# Allegro board Learn.brd (continued)
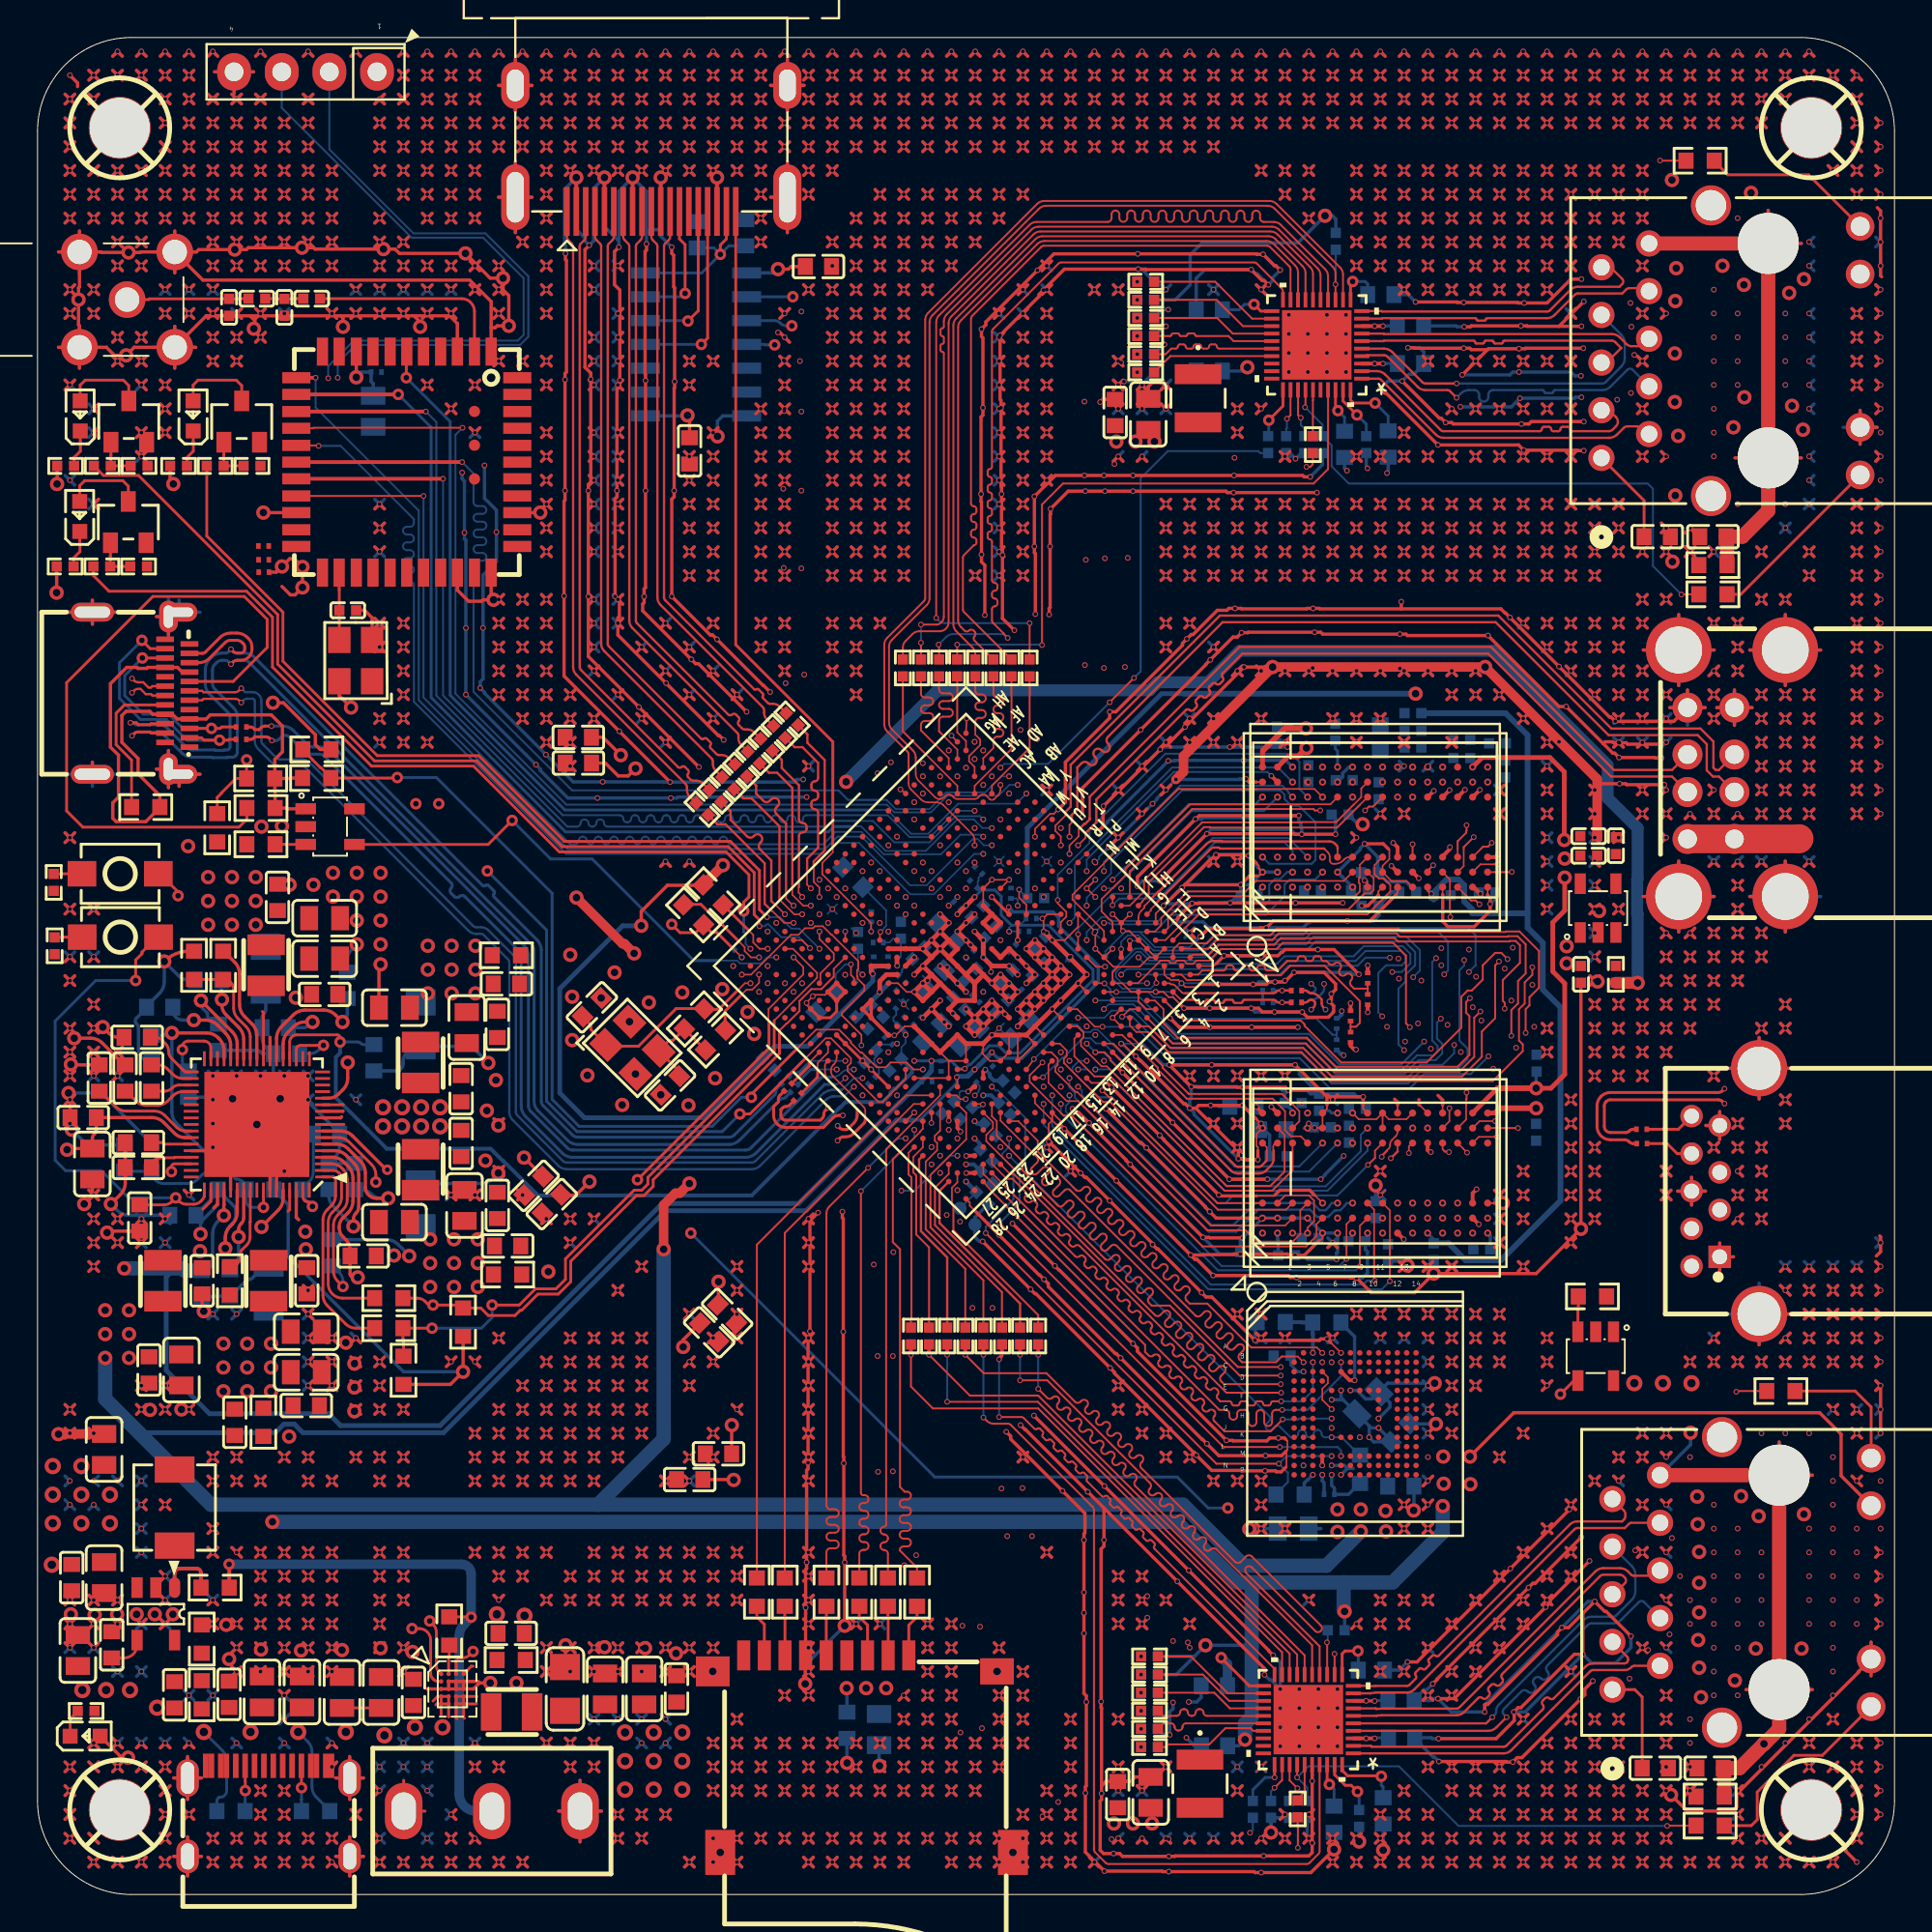
[diagram p0: board, top side]
## Routing (per net, layer and track width the routed paths; a pad name or vN(x,y) marks a point on that pad's centre or on a via; arc(x,y) is an arc through that point) (continued)
  TOP w0.203: J1.11 v3(33.22,91.52) ; v1(49.5,39.37) 49.58,39.37 49.59,39.38 U5.C25 ; U7.K1 v1(72.83,34.92) ; U5.V22 U5.V23 ; J1.17 v3(36.22,91.52) ; v1(49.5,38.46) 49.53,38.46 49.54,38.46 U5.B26 ; J1.2 v3(28.72,91.52) ; J1.8 v3(31.72,91.52) ; v1(77.85,55.45) 77.7,55.3 U6.T3 ; U5.G24 v1(48.57,41.25) ; U5.U23 45.36,45.81 ; J1.5 v3(30.22,91.52)
  TOP w0.254: U5.M18 U5.N18 U5.N17 ; v1(53.63,51.33) v1(54.09,50.87) v1(55.01,49.95) 55.66,49.3 v1(55.93,49.03) v1(55.47,48.57) v1(54.55,47.65) v1(54.09,47.19) U5.G15 v1(50.87,45.81) U5.J18 U5.K19 U5.L19 U5.L20 U5.L21 U5.M21 U5.P21 ; v1(47.65,50.87) v1(48.11,50.41) ; v1(47.65,50.87) v1(47.19,50.41) ; v1(47.65,50.87) v1(48.11,51.33) ; v1(48.11,50.41) U5.U14 ; v1(48.11,50.41) 48.11,50.41 U5.T15 ; v1(48.11,50.41) U5.U16 ; v1(47.19,50.41) U5.W17 U5.Y18 ; v1(47.19,50.41) 47.19,50.41 U5.U16 ; U5.U14 48.57,50.87 v1(48.11,51.33) ; U5.U14 U5.T14 U5.T15 ; U5.N17 U5.P17 U5.R17 ; U5.N17 U5.M16 U5.N15 ; v1(51.79,48.57) v1(51.33,49.03) v1(50.87,48.57) ; v1(51.79,48.57) v1(51.33,48.11) ; v1(51.79,48.57) v1(52.25,48.11) v1(51.79,47.65) 51.33,48.11 v1(51.33,48.11) ; U5.T17 v1(47.19,49.49) ; U5.T17 U5.R17 ; U5.T17 v1(47.19,48.57) ; v1(47.19,49.49) v1(46.73,49.03) ; v1(47.19,49.49) U5.U16 ; v1(48.11,51.33) v1(48.57,51.79) v1(48.11,52.25) ; U5.N14 v1(50.87,48.57) ; U5.N14 U5.P14 U5.P15 ; U5.N14 U5.N15 ; v1(50.87,48.57) 50.87,48.57 v1(51.33,48.11) ; v1(47.19,48.57) v1(46.73,48.11) U5.R19 47.65,48.11 U5.R18 ; v1(47.19,48.57) U5.R18 ; U5.R17 U5.R18 ; U5.T15 U5.R15 U5.P15 ; v1(52.71,48.57) v1(53.17,49.03) v1(52.71,49.49) v1(52.25,49.95) U5.N11 51.79,50.41 U5.N12 U5.P12 ; U5.P15 U5.N15 ; U5.T10 U5.T11 U5.R11 U5.R10 U5.T10 ; U5.T10 U5.U10
  TOP w0.508: v3(1.12,24.54) 1.13,24.55 C7.1 ; C122.2 83.14,59.46 v3(77.17,65.43) v3(65.84,65.43) 61.09,60.68 61.09,59.84 v1(60.68,59.44)
  GND1 w0.089: v1(51.25,55.06) 51.51,54.81 ; v1(51.25,55.06) 51.51,55.32 ; v1(51.25,55.06) 51,54.81 ; v1(51.25,55.06) 51,55.32 ; v1(53.79,51.25) 54.05,51.51 ; v1(53.79,51.25) 53.54,51.51 ; v1(53.79,51.25) 53.54,51 ; v1(53.79,51.25) 54.05,51 ; 45.92,47.19 v1(46.17,47.44) ; v1(46.17,47.44) 46.43,47.19 ; v1(46.17,47.44) 46.43,47.7 ; v1(46.17,47.44) 45.92,47.7 ; 47.19,48.97 v1(47.44,48.71) ; v1(47.44,48.71) 47.7,48.46 ; v1(47.44,48.71) 47.7,48.97 ; v1(47.44,48.71) 47.19,48.46 ; 54.81,49.73 v1(55.06,49.98) ; v1(55.06,49.98) 55.32,49.73 ; v1(55.06,49.98) 54.81,50.24 ; v1(55.06,49.98) 55.32,50.24 ; 43.38,51.51 v1(43.63,51.25) ; v1(43.63,51.25) 43.89,51 ; v1(43.63,51.25) 43.89,51.51 ; v1(43.63,51.25) 43.38,51 ; 51,46.43 v1(51.25,46.17) ; v1(51.25,46.17) 51,45.92 ; v1(51.25,46.17) 51.51,46.43 ; v1(51.25,46.17) 51.51,45.92 ; 53.54,55.32 v1(53.79,55.06) ; v1(53.79,55.06) 54.05,54.81 ; v1(53.79,55.06) 54.05,55.32 ; v1(53.79,55.06) 53.54,54.81 ; 56.08,51.51 v1(56.33,51.25) ; v1(56.33,51.25) 56.59,51 ; v1(56.33,51.25) 56.59,51.51 ; 56.08,55.32 v1(56.33,55.06) ; v1(56.33,55.06) 56.59,54.81 ; v1(56.33,55.06) 56.08,54.81 ; v1(56.33,55.06) 56.59,55.32 ; 42.11,52.78 v1(42.36,52.52) ; v1(42.36,52.52) 42.62,52.78 ; v1(42.36,52.52) 42.11,52.27 ; v1(42.36,52.52) 42.62,52.27
  GND1 w0.178: 31.95,98.5 v1(32.2,98.24) ; v1(32.2,98.24) 31.95,97.99 ; v1(32.2,98.24) 32.46,97.99 ; v1(32.2,98.24) 32.46,98.5 ; v1(61.41,2.99) 61.67,2.74 ; v1(61.41,2.99) 61.67,3.25 ; v1(61.41,2.99) 61.16,3.25 ; v1(61.41,2.99) 61.16,2.74 ; v1(27.12,80.46) 27.38,80.72 ; v1(27.12,80.46) 26.87,80.21 ; v1(27.12,80.46) 27.38,80.21 ; v1(27.12,80.46) 26.87,80.72 ; 9.09,19.25 v1(9.34,19.5) ; v1(9.34,19.5) 9.6,19.76 ; v1(9.34,19.5) 9.09,19.76 ; v1(9.34,19.5) 9.6,19.25 ; 23.06,2.74 v1(23.31,2.99) ; v1(23.31,2.99) 23.57,3.25 ; v1(23.31,2.99) 23.06,3.25 ; v1(23.31,2.99) 23.57,2.74 ; 80.21,54.05 v1(80.46,53.79) ; v1(80.46,53.79) 80.21,53.54 ; v1(80.46,53.79) 80.72,54.05 ; v1(80.46,53.79) 80.72,53.54 ; 76.4,98.5 v1(76.65,98.24) ; v1(76.65,98.24) 76.91,98.5 ; v1(76.65,98.24) 76.91,97.99 ; v1(76.65,98.24) 76.4,97.99 ; 34.49,74.37 v1(34.74,74.11) ; v1(34.74,74.11) 34.49,73.86 ; v1(34.74,74.11) 35,73.86 ; v1(34.74,74.11) 35,74.37 ; v1(27.12,13.15) 27.38,12.9 ; v1(27.12,13.15) 26.87,12.9 ; v1(27.12,13.15) 26.87,13.41 ; v1(27.12,13.15) 27.38,13.41 ; v1(86.81,56.33) 87.07,56.59 ; v1(86.81,56.33) 86.56,56.59 ; v1(86.81,56.33) 86.56,56.08 ; v1(86.81,56.33) 87.07,56.08 ; v1(39.82,8.07) 40.08,8.33 ; v1(39.82,8.07) 40.08,7.82 ; v1(39.82,8.07) 39.57,8.33 ; v1(39.82,8.07) 39.57,7.82 ; 35.76,67.51 v1(36.01,67.76) ; v1(36.01,67.76) 35.76,68.02 ; v1(36.01,67.76) 36.27,68.02 ; v1(36.01,67.76) 36.27,67.51 ; v1(57.6,15.69) 57.86,15.44 ; v1(57.6,15.69) 57.86,15.95 ; v1(57.6,15.69) 57.35,15.44 ; v1(57.6,15.69) 57.35,15.95 ; 17.98,94.18 v1(18.23,94.43) ; v1(18.23,94.43) 18.49,94.69 ; v1(18.23,94.43) 17.98,94.69 ; v1(18.23,94.43) 18.49,94.18 ; 97.99,24.84 v1(98.24,24.58) ; v1(98.24,24.58) 97.99,24.33 ; v1(98.24,24.58) 98.5,24.33 ; v1(98.24,24.58) 98.5,24.84 ; 40.84,23.06 v1(41.09,23.31) ; v1(41.09,23.31) 41.35,23.57 ; v1(41.09,23.31) 41.35,23.06 ; v1(41.09,23.31) 40.84,23.57 ; 72.59,87.07 v1(72.84,86.81) ; v1(72.84,86.81) 73.1,86.56 ; v1(72.84,86.81) 73.1,87.07 ; v1(72.84,86.81) 72.59,86.56 ; v1(30.93,4.26) 31.19,4.52 ; v1(30.93,4.26) 30.68,4.01 ; v1(30.93,4.26) 30.68,4.52 ; v1(30.93,4.26) 31.19,4.01 ; 6.55,78.94 v1(6.8,79.19) ; v1(6.8,79.19) 6.55,79.45 ; v1(6.8,79.19) 7.06,79.45 ; v1(6.8,79.19) 7.06,78.94 ; 90.37,66.24 v1(90.62,66.49) ; v1(90.62,66.49) 90.88,66.24 ; v1(90.62,66.49) 90.88,66.75 ; v1(90.62,66.49) 90.37,66.75 ; v1(80.46,6.8) 80.72,6.55 ; v1(80.46,6.8) 80.21,6.55 ; v1(80.46,6.8) 80.21,7.06 ; v1(80.46,6.8) 80.72,7.06 ; v1(71.57,95.7) 71.83,95.96 ; v1(71.57,95.7) 71.83,95.45 ; v1(71.57,95.7) 71.32,95.45 ; v1(71.57,95.7) 71.32,95.96 ; 56.08,85.29 v1(56.33,85.54) ; v1(56.33,85.54) 56.59,85.29 ; v1(56.33,85.54) 56.08,85.8 ; v1(56.33,85.54) 56.59,85.8 ; 87.83,48.46 v1(88.08,48.71) ; v1(88.08,48.71) 88.34,48.46 ; v1(88.08,48.71) 87.83,48.97 ; v1(88.08,48.71) 88.34,48.97 ; 97.99,61.67 v1(98.24,61.41) ; v1(98.24,61.41) 97.99,61.16 ; v1(98.24,61.41) 98.5,61.16 ; v1(98.24,61.41) 98.5,61.67 ; 1.47,21.79 v1(1.72,22.04) 1.47,22.3 ; 7.82,91.64 v1(8.07,91.89) ; v1(8.07,91.89) 8.33,91.64 ; v1(8.07,91.89) 8.33,92.15 ; v1(8.07,91.89) 7.82,92.15 ; v1(2.99,24.58) 3.25,24.84 ; v1(2.99,24.58) 2.74,24.84 ; v1(2.99,24.58) 2.74,24.33 ; v1(2.99,24.58) 3.25,24.33 ; 63.7,95.96 v1(63.95,95.7) ; v1(63.95,95.7) 64.21,95.45 ; v1(63.95,95.7) 64.21,95.96 ; v1(63.95,95.7) 63.7,95.45 ; v1(61.41,43.63) 61.67,43.38 ; v1(61.41,43.63) 61.16,43.89 ; v1(61.41,43.63) 61.16,43.38 ; v1(61.41,43.63) 61.67,43.89 ; v1(43.63,96.97) 43.89,96.72 ; v1(43.63,96.97) 43.89,97.23 ; v1(43.63,96.97) 43.38,97.23 ; v1(43.63,96.97) 43.38,96.72 ; 81.48,68.02 v1(81.73,67.76) ; v1(81.73,67.76) 81.99,68.02 ; v1(81.73,67.76) 81.99,67.51 ; v1(81.73,67.76) 81.48,67.51 ; v1(29.66,66.49) 29.92,66.75 ; v1(29.66,66.49) 29.41,66.75 ; v1(29.66,66.49) 29.41,66.24 ; v1(29.66,66.49) 29.92,66.24 ; 16.71,42.11 v1(16.96,42.36) ; v1(16.96,42.36) 17.22,42.62 ; v1(16.96,42.36) 16.71,42.62 ; v1(16.96,42.36) 17.22,42.11 ; v1(89.35,51.25) 89.61,51.51 ; v1(89.35,51.25) 89.61,51 ; v1(89.35,51.25) 89.1,51.51 ; v1(89.35,51.25) 89.1,51 ; v1(81.73,88.08) 81.99,88.34 ; v1(81.73,88.08) 81.48,87.83 ; v1(81.73,88.08) 81.99,87.83 ; v1(81.73,88.08) 81.48,88.34 ; v1(67.76,89.35) 68.02,89.61 ; v1(67.76,89.35) 67.51,89.1 ; v1(67.76,89.35) 67.51,89.61 ; v1(67.76,89.35) 68.02,89.1 ; 15.44,17.22 v1(15.69,16.96) ; v1(15.69,16.96) 15.44,16.71 ; v1(15.69,16.96) 15.95,16.71 ; v1(15.69,16.96) 15.95,17.22 ; v1(29.66,36.01) 29.92,36.27 ; v1(29.66,36.01) 29.41,36.27 ; v1(29.66,36.01) 29.41,35.76 ; v1(29.66,36.01) 29.92,35.76 ; 52.27,23.06 v1(52.52,23.31) ; v1(52.52,23.31) 52.78,23.06 ; v1(52.52,23.31) 52.27,23.57 ; v1(52.52,23.31) 52.78,23.57 ; v1(43.63,63.95) 43.89,64.21 ; v1(43.63,63.95) 43.89,63.7 ; v1(43.63,63.95) 43.38,63.7 ; v1(43.63,63.95) 43.38,64.21 ; 28.14,28.65 v1(28.39,28.39) ; v1(28.39,28.39) 28.65,28.14 ; v1(28.39,28.39) 28.14,28.14 ; v1(28.39,28.39) 28.65,28.65 ; v1(42.36,93.16) 42.62,92.91 ; v1(42.36,93.16) 42.62,93.42 ; v1(42.36,93.16) 42.11,92.91 ; v1(42.36,93.16) 42.11,93.42 ; 81.48,97.99 v1(81.73,98.24) ; v1(81.73,98.24) 81.99,98.5 ; v1(81.73,98.24) 81.48,98.5 ; v1(81.73,98.24) 81.99,97.99 ; 1.47,75.64 v1(1.72,75.38) ; v1(1.72,75.38) 1.98,75.13 ; v1(1.72,75.38) 1.98,75.64 ; 70.05,92.15 v1(70.3,91.89) ; v1(70.3,91.89) 70.56,91.64 ; v1(70.3,91.89) 70.05,91.64 ; v1(70.3,91.89) 70.56,92.15 ; 97.99,19.76 v1(98.24,19.5) ; v1(98.24,19.5) 98.5,19.76 ; v1(98.24,19.5) 98.5,19.25 ; v1(98.24,19.5) 97.99,19.25 ; 16.71,28.14 v1(16.96,28.39) ; v1(16.96,28.39) 17.22,28.65 ; v1(16.96,28.39) 17.22,28.14 ; v1(16.96,28.39) 16.71,28.65 ; v1(49.98,2.99) 50.24,2.74 ; v1(49.98,2.99) 49.73,3.25 ; v1(49.98,2.99) 49.73,2.74 ; v1(49.98,2.99) 50.24,3.25 ; v1(9.34,18.23) 9.6,18.49 ; v1(9.34,18.23) 9.6,17.98 ; v1(9.34,18.23) 9.09,17.98 ; v1(9.34,18.23) 9.09,18.49 ; 97.99,17.22 v1(98.24,16.96) ; v1(98.24,16.96) 97.99,16.71 ; v1(98.24,16.96) 98.5,17.22 ; v1(98.24,16.96) 98.5,16.71 ; 58.62,5.79 v1(58.87,5.53) ; v1(58.87,5.53) 59.13,5.28 ; v1(58.87,5.53) 58.62,5.28 ; v1(58.87,5.53) 59.13,5.79 ; v1(60.14,74.11) 60.4,73.86 ; v1(60.14,74.11) 59.89,73.86 ; v1(60.14,74.11) 60.4,74.37 ; v1(60.14,74.11) 59.89,74.37 ; v1(89.35,29.66) 89.61,29.92 ; v1(89.35,29.66) 89.1,29.92 ; v1(89.35,29.66) 89.61,29.41 ; v1(89.35,29.66) 89.1,29.41 ; 6.55,5.79 v1(6.8,5.53) ; v1(6.8,5.53) 7.06,5.79 ; v1(6.8,5.53) 6.55,5.28 ; v1(6.8,5.53) 7.06,5.28 ; 30.68,92.15 v1(30.93,91.89) ; v1(30.93,91.89) 30.68,91.64 ; v1(30.93,91.89) 31.19,92.15 ; v1(30.93,91.89) 31.19,91.64 ; v1(75.38,65.22) 75.64,65.48 ; v1(75.38,65.22) 75.13,65.48 ; v1(75.38,65.22) 75.64,64.97 ; v1(75.38,65.22) 75.13,64.97 ; 71.32,62.43 v1(71.57,62.68) ; v1(71.57,62.68) 71.83,62.43 ; v1(71.57,62.68) 71.32,62.94 ; v1(71.57,62.68) 71.83,62.94 ; v1(74.11,33.47) 74.37,33.22 ; v1(74.11,33.47) 74.37,33.73 ; v1(74.11,33.47) 73.86,33.73 ; v1(74.11,33.47) 73.86,33.22 ; v1(44.9,1.72) 45.16,1.47 ; v1(44.9,1.72) 45.16,1.98 ; v1(44.9,1.72) 44.65,1.98 ; v1(44.9,1.72) 44.65,1.47 ; 97.99,57.35 v1(98.24,57.6) ; v1(98.24,57.6) 98.5,57.35 ; v1(98.24,57.6) 98.5,57.86 ; v1(98.24,57.6) 97.99,57.86 ; v1(86.81,62.68) 87.07,62.43 ; v1(86.81,62.68) 86.56,62.43 ; v1(86.81,62.68) 86.56,62.94 ; v1(86.81,62.68) 87.07,62.94 ; v1(96.97,93.16) 97.23,92.91 ; v1(96.97,93.16) 96.72,93.42 ; v1(96.97,93.16) 96.72,92.91 ; v1(96.97,93.16) 97.23,93.42 ; 17.98,89.1 v1(18.23,89.35) ; v1(18.23,89.35) 18.49,89.1 ; v1(18.23,89.35) 18.49,89.61 ; v1(18.23,89.35) 17.98,89.61 ; v1(79.19,36.01) 79.45,36.27 ; v1(79.19,36.01) 78.94,36.27 ; v1(79.19,36.01) 79.45,35.76 ; v1(79.19,36.01) 78.94,35.76 ; 33.22,17.98 v1(33.47,18.23) ; v1(33.47,18.23) 33.73,18.49 ; v1(33.47,18.23) 33.22,18.49 ; v1(33.47,18.23) 33.73,17.98 ; 30.68,72.59 v1(30.93,72.84) ; v1(30.93,72.84) 30.68,73.1 ; v1(30.93,72.84) 31.19,73.1 ; v1(30.93,72.84) 31.19,72.59 ; 82.75,70.56 v1(83,70.3) ; v1(83,70.3) 82.75,70.05 ; v1(83,70.3) 83.26,70.05 ; v1(83,70.3) 83.26,70.56 ; v1(33.47,55.06) 33.73,54.81 ; v1(33.47,55.06) 33.22,55.32 ; v1(33.47,55.06) 33.22,54.81 ; v1(33.47,55.06) 33.73,55.32 ; v1(6.8,90.62) 7.06,90.88 ; v1(6.8,90.62) 7.06,90.37 ; v1(6.8,90.62) 6.55,90.37 ; v1(6.8,90.62) 6.55,90.88 ; v1(48.71,96.97) 48.97,96.72 ; v1(48.71,96.97) 48.97,97.23 ; v1(48.71,96.97) 48.46,97.23 ; v1(48.71,96.97) 48.46,96.72 ; 86.56,2.74 v1(86.81,2.99) ; v1(86.81,2.99) 87.07,2.74 ; v1(86.81,2.99) 86.56,3.25 ; v1(86.81,2.99) 87.07,3.25 ; v1(81.73,16.96) 81.99,17.22 ; v1(81.73,16.96) 81.48,16.71 ; v1(81.73,16.96) 81.99,16.71 ; v1(81.73,16.96) 81.48,17.22 ; v1(47.44,88.08) 47.7,87.83 ; v1(47.44,88.08) 47.19,88.34 ; v1(47.44,88.08) 47.7,88.34 ; v1(47.44,88.08) 47.19,87.83 ; v1(33.47,96.97) 33.73,96.72 ; v1(33.47,96.97) 33.22,97.23 ; v1(33.47,96.97) 33.73,97.23 ; v1(33.47,96.97) 33.22,96.72 ; 44.65,81.48 v1(44.9,81.73) ; v1(44.9,81.73) 45.16,81.99 ; v1(44.9,81.73) 45.16,81.48 ; v1(44.9,81.73) 44.65,81.99 ; v1(76.65,65.22) 76.91,64.97 ; v1(76.65,65.22) 76.91,65.48 ; v1(76.65,65.22) 76.4,64.97 ; v1(76.65,65.22) 76.4,65.48 ; 59.89,70.56 v1(60.14,70.3) ; v1(60.14,70.3) 60.4,70.56 ; v1(60.14,70.3) 59.89,70.05 ; v1(60.14,70.3) 60.4,70.05 ; v1(43.63,79.19) 43.89,78.94 ; v1(43.63,79.19) 43.38,78.94 ; v1(43.63,79.19) 43.89,79.45 ; v1(43.63,79.19) 43.38,79.45 ; v1(42.36,5.53) 42.62,5.28 ; v1(42.36,5.53) 42.11,5.79 ; v1(42.36,5.53) 42.62,5.79 ; v1(42.36,5.53) 42.11,5.28 ; v1(85.54,5.53) 85.8,5.28 ; v1(85.54,5.53) 85.29,5.28 ; v1(85.54,5.53) 85.8,5.79 ; v1(85.54,5.53) 85.29,5.79 ; v1(14.42,1.72) 14.68,1.47 ; v1(14.42,1.72) 14.17,1.47 ; v1(14.42,1.72) 14.17,1.98 ; v1(14.42,1.72) 14.68,1.98 ; v1(44.9,74.11) 45.16,73.86 ; v1(44.9,74.11) 44.65,73.86 ; v1(44.9,74.11) 45.16,74.37 ; v1(44.9,74.11) 44.65,74.37 ; v1(16.96,29.66) 17.22,29.41 ; v1(16.96,29.66) 16.71,29.41 ; v1(16.96,29.66) 16.71,29.92 ; v1(16.96,29.66) 17.22,29.92 ; 39.57,94.69 v1(39.82,94.43) ; v1(39.82,94.43) 40.08,94.18 ; v1(39.82,94.43) 39.57,94.18 ; v1(39.82,94.43) 40.08,94.69 ; 26.87,91.64 v1(27.12,91.89) ; v1(27.12,91.89) 27.38,92.15 ; v1(27.12,91.89) 26.87,92.15 ; v1(27.12,91.89) 27.38,91.64 ; v1(66.49,43.63) 66.75,43.89 ; v1(66.49,43.63) 66.24,43.38 ; v1(66.49,43.63) 66.75,43.38 ; v1(66.49,43.63) 66.24,43.89 ; v1(76.65,13.15) 76.91,12.9 ; v1(76.65,13.15) 76.4,13.41 ; v1(76.65,13.15) 76.91,13.41 ; v1(76.65,13.15) 76.4,12.9 ; 76.4,85.29 v1(76.65,85.54) ; v1(76.65,85.54) 76.91,85.8 ; v1(76.65,85.54) 76.91,85.29 ; v1(76.65,85.54) 76.4,85.8 ; 2.74,46.43 v1(2.99,46.17) ; v1(2.99,46.17) 2.74,45.92 ; v1(2.99,46.17) 3.25,46.43 ; v1(2.99,46.17) 3.25,45.92 ; 97.99,85.8 v1(98.24,85.54) ; v1(98.24,85.54) 98.5,85.8 ; v1(98.24,85.54) 98.5,85.29 ; v1(98.24,85.54) 97.99,85.29 ; v1(88.08,96.97) 88.34,97.23 ; v1(88.08,96.97) 88.34,96.72 ; v1(88.08,96.97) 87.83,97.23 ; v1(88.08,96.97) 87.83,96.72 ; 81.48,66.75 v1(81.73,66.49) ; v1(81.73,66.49) 81.99,66.75 ; v1(81.73,66.49) 81.48,66.24 ; v1(81.73,66.49) 81.99,66.24 ; v1(77.92,28.39) 78.18,28.65 ; v1(77.92,28.39) 78.18,28.14 ; v1(77.92,28.39) 77.67,28.65 ; v1(77.92,28.39) 77.67,28.14 ; v1(37.28,15.69) 37.54,15.95 ; v1(37.28,15.69) 37.54,15.44 ; v1(37.28,15.69) 37.03,15.44 ; v1(37.28,15.69) 37.03,15.95 ; 6.98,59 U17.C4 ; U17.C4 6.34,59.99 ; U17.C4 6.98,60.98 ; 2.74,3.25 v1(2.99,2.99) ; v1(2.99,2.99) 2.74,2.74 ; v1(2.99,2.99) 3.25,2.74 ; v1(22.04,91.89) 22.3,91.64 ; v1(22.04,91.89) 21.79,92.15 ; v1(22.04,91.89) 21.79,91.64 ; v1(22.04,91.89) 22.3,92.15 ; 6.55,94.69 v1(6.8,94.43) ; v1(6.8,94.43) 7.06,94.18 ; v1(6.8,94.43) 7.06,94.69 ; v1(6.8,94.43) 6.55,94.18 ; 2.74,78.94 v1(2.99,79.19) ; v1(2.99,79.19) 3.25,78.94 ; v1(2.99,79.19) 3.25,79.45 ; v1(2.99,79.19) 2.74,79.45 ; v1(89.35,1.72) 89.61,1.98 ; v1(89.35,1.72) 89.1,1.47 ; v1(89.35,1.72) 89.61,1.47 ; v1(89.35,1.72) 89.1,1.98 ; 52.27,72.59 v1(52.52,72.84) ; v1(52.52,72.84) 52.78,73.1 ; v1(52.52,72.84) 52.78,72.59 ; v1(52.52,72.84) 52.27,73.1 ; v1(74.11,28.39) 74.37,28.65 ; v1(74.11,28.39) 73.86,28.14 ; v1(74.11,28.39) 74.37,28.14 ; v1(74.11,28.39) 73.86,28.65 ; v1(46.17,80.46) 46.43,80.72 ; v1(46.17,80.46) 45.92,80.21 ; v1(46.17,80.46) 45.92,80.72 ; v1(46.17,80.46) 46.43,80.21 ; v1(13.15,5.53) 13.41,5.79 ; v1(13.15,5.53) 12.9,5.79 ; v1(13.15,5.53) 13.41,5.28 ; v1(13.15,5.53) 12.9,5.28 ; v1(10.61,18.23) 10.87,18.49 ; v1(10.61,18.23) 10.87,17.98 ; v1(10.61,18.23) 10.36,18.49 ; U1.4 17.38,2.03 ; U1.4 16.64,3.07 ; U1.4 15.9,2.03 ; U1.4 16.64,0.99 ; 53.54,5.79 v1(53.79,5.53) ; v1(53.79,5.53) 54.05,5.28 ; v1(53.79,5.53) 54.05,5.79 ; v1(53.79,5.53) 53.54,5.28 ; 80.21,52.78 v1(80.46,52.52) ; v1(80.46,52.52) 80.72,52.78 ; v1(80.46,52.52) 80.21,52.27 ; v1(80.46,52.52) 80.72,52.27 ; v1(88.08,46.17) 88.34,45.92 ; v1(88.08,46.17) 87.83,46.43 ; v1(88.08,46.17) 88.34,46.43 ; v1(88.08,46.17) 87.83,45.92 ; 28.14,29.92 v1(28.39,29.66) ; v1(28.39,29.66) 28.65,29.41 ; v1(28.39,29.66) 28.65,29.92 ; v1(28.39,29.66) 28.14,29.41 ; v1(46.17,77.92) 46.43,77.67 ; v1(46.17,77.92) 45.92,78.18 ; v1(46.17,77.92) 46.43,78.18 ; v1(46.17,77.92) 45.92,77.67 ; 11.63,91.64 v1(11.88,91.89) ; v1(11.88,91.89) 12.14,91.64 ; v1(11.88,91.89) 11.63,92.15 ; v1(11.88,91.89) 12.14,92.15 ; v1(9.34,84.27) 9.6,84.02 ; v1(9.34,84.27) 9.09,84.53 ; v1(9.34,84.27) 9.09,84.02 ; v1(9.34,84.27) 9.6,84.53 ; v1(84.27,2.99) 84.53,2.74 ; v1(84.27,2.99) 84.53,3.25 ; v1(84.27,2.99) 84.02,2.74 ; v1(84.27,2.99) 84.02,3.25 ; 14.17,17.98 v1(14.42,18.23) ; v1(14.42,18.23) 14.68,18.49 ; v1(14.42,18.23) 14.17,18.49 ; v1(14.42,18.23) 14.68,17.98 ; 73.86,85.8 v1(74.11,85.54) ; v1(74.11,85.54) 74.37,85.8 ; v1(74.11,85.54) 74.37,85.29 ; v1(74.11,85.54) 73.86,85.29 ; v1(9.34,23.31) 9.6,23.57 ; v1(9.34,23.31) 9.6,23.06 ; v1(9.34,23.31) 9.09,23.06 ; v1(9.34,23.31) 9.09,23.57 ; 96.72,33.22 v1(96.97,33.47) ; v1(96.97,33.47) 97.23,33.73 ; v1(96.97,33.47) 96.72,33.73 ; v1(96.97,33.47) 97.23,33.22 ; 90.37,28.14 v1(90.62,28.39) ; v1(90.62,28.39) 90.37,28.65 ; v1(90.62,28.39) 90.88,28.65 ; v1(90.62,28.39) 90.88,28.14 ; 30.68,9.6 v1(30.93,9.34) ; v1(30.93,9.34) 31.19,9.6 ; v1(30.93,9.34) 30.68,9.09 ; v1(83,53.79) 83.26,54.05 ; v1(83,53.79) 82.75,53.54 ; v1(83,53.79) 82.75,54.05 ; v1(83,53.79) 83.26,53.54 ; 9.09,14.68 v1(9.34,14.42) ; v1(9.34,14.42) 9.6,14.17 ; v1(9.34,14.42) 9.6,14.68 ; v1(9.34,14.42) 9.09,14.17 ; v1(91.89,96.97) 92.15,96.72 ; v1(91.89,96.97) 92.15,97.23 ; v1(91.89,96.97) 91.64,96.72 ; v1(91.89,96.97) 91.64,97.23 ; v1(60.14,85.54) 60.4,85.29 ; v1(60.14,85.54) 59.89,85.29 ; v1(60.14,85.54) 60.4,85.8 ; v1(60.14,85.54) 59.89,85.8 ; v1(2.99,15.69) 3.25,15.44 ; v1(2.99,15.69) 3.25,15.95 ; v1(2.99,15.69) 2.74,15.44 ; v1(2.99,15.69) 2.74,15.95 ; 4.01,7.82 v1(4.26,8.07) ; v1(4.26,8.07) 4.01,8.33 ; v1(4.26,8.07) 4.52,7.82 ; v1(4.26,8.07) 4.52,8.33 ; v1(27.12,86.81) 27.38,86.56 ; v1(27.12,86.81) 27.38,87.07 ; v1(27.12,86.81) 26.87,86.56 ; v1(27.12,86.81) 26.87,87.07 ; 23.06,1.47 v1(23.31,1.72) ; v1(23.31,1.72) 23.06,1.98 ; v1(23.31,1.72) 23.57,1.47 ; v1(23.31,1.72) 23.57,1.98 ; v1(60.14,79.19) 60.4,78.94 ; v1(60.14,79.19) 60.4,79.45 ; v1(60.14,79.19) 59.89,78.94 ; v1(60.14,79.19) 59.89,79.45 ; v1(39.82,81.73) 40.08,81.48 ; v1(39.82,81.73) 39.57,81.99 ; v1(39.82,81.73) 40.08,81.99 ; v1(39.82,81.73) 39.57,81.48 ; 21.79,28.14 v1(22.04,28.39) ; v1(22.04,28.39) 22.3,28.65 ; v1(22.04,28.39) 21.79,28.65 ; 25.6,87.83 v1(25.85,88.08) ; v1(25.85,88.08) 25.6,88.34 ; v1(25.85,88.08) 26.11,88.34 ; v1(25.85,88.08) 26.11,87.83 ; v1(81.73,37.28) 81.99,37.03 ; v1(81.73,37.28) 81.48,37.03 ; v1(81.73,37.28) 81.99,37.54 ; v1(81.73,37.28) 81.48,37.54 ; v1(15.69,14.42) 15.95,14.17 ; v1(15.69,14.42) 15.95,14.68 ; v1(15.69,14.42) 15.44,14.17 ; v1(15.69,14.42) 15.44,14.68 ; v1(72.84,98.24) 73.1,98.5 ; v1(72.84,98.24) 72.59,97.99 ; v1(72.84,98.24) 73.1,97.99 ; v1(72.84,98.24) 72.59,98.5 ; 57.35,85.8 v1(57.6,85.54) ; v1(57.6,85.54) 57.35,85.29 ; v1(57.6,85.54) 57.86,85.8 ; v1(57.6,85.54) 57.86,85.29 ; v1(43.63,98.24) 43.89,98.5 ; v1(43.63,98.24) 43.89,97.99 ; v1(43.63,98.24) 43.38,97.99 ; v1(43.63,98.24) 43.38,98.5 ; v1(14.42,94.43) 14.68,94.18 ; v1(14.42,94.43) 14.17,94.69 ; v1(14.42,94.43) 14.17,94.18 ; v1(14.42,94.43) 14.68,94.69 ; 16.71,4.52 v1(16.96,4.26) ; v1(16.96,4.26) 17.22,4.01 ; v1(16.96,4.26) 16.71,4.01 ; v1(16.96,4.26) 17.22,4.52 ; 81.48,81.48 v1(81.73,81.73) ; v1(81.73,81.73) 81.48,81.99 ; v1(81.73,81.73) 81.99,81.99 ; v1(81.73,81.73) 81.99,81.48 ; 59.89,3.25 v1(60.14,2.99) ; v1(60.14,2.99) 59.89,2.74 ; v1(60.14,2.99) 60.4,2.74 ; v1(60.14,2.99) 60.4,3.25 ; 40.84,3.25 v1(41.09,2.99) ; v1(41.09,2.99) 40.84,2.74 ; v1(41.09,2.99) 41.35,2.74 ; v1(41.09,2.99) 41.35,3.25 ; v1(44.9,14.42) 45.16,14.17 ; v1(44.9,14.42) 44.65,14.17 ; v1(44.9,14.42) 44.65,14.68 ; v1(44.9,14.42) 45.16,14.68 ; v1(22.04,1.72) 22.3,1.47 ; v1(22.04,1.72) 22.3,1.98 ; v1(22.04,1.72) 21.79,1.47 ; v1(22.04,1.72) 21.79,1.98 ; 70.05,73.1 v1(70.3,72.84) ; v1(70.3,72.84) 70.56,72.59 ; v1(70.3,72.84) 70.56,73.1 ; v1(70.3,72.84) 70.05,72.59 ; v1(48.71,6.8) 48.97,6.55 ; v1(48.71,6.8) 48.46,6.55 ; v1(48.71,6.8) 48.46,7.06 ; v1(48.71,6.8) 48.97,7.06 ; 77.67,31.19 v1(77.92,30.93) ; v1(77.92,30.93) 78.18,31.19 ; v1(77.92,30.93) 77.67,30.68 ; v1(77.92,30.93) 78.18,30.68 ; 24.33,81.48 v1(24.58,81.73) ; v1(24.58,81.73) 24.84,81.48 ; v1(24.58,81.73) 24.33,81.99 ; v1(24.58,81.73) 24.84,81.99 ; 86.56,72.59 v1(86.81,72.84) ; v1(86.81,72.84) 87.07,72.59 ; v1(86.81,72.84) 86.56,73.1 ; v1(84.27,9.34) 84.53,9.6 ; v1(84.27,9.34) 84.53,9.09 ; v1(84.27,9.34) 84.02,9.6 ; v1(84.27,9.34) 84.02,9.09 ; 34.49,73.1 v1(34.74,72.84) ; v1(34.74,72.84) 35,73.1 ; v1(34.74,72.84) 34.49,72.59 ; v1(34.74,72.84) 35,72.59 ; 59.89,66.75 v1(60.14,66.49) ; v1(60.14,66.49) 60.4,66.75 ; v1(60.14,66.49) 60.4,66.24 ; v1(60.14,66.49) 59.89,66.24 ; 35.76,28.14 v1(36.01,28.39) ; v1(36.01,28.39) 36.27,28.14 ; v1(36.01,28.39) 36.27,28.65 ; v1(36.01,28.39) 35.76,28.65 ; 92.91,69.29 v1(93.16,69.03) ; v1(93.16,69.03) 93.42,68.78 ; v1(93.16,69.03) 93.42,69.29 ; v1(93.16,69.03) 92.91,68.78 ; 19.25,84.53 v1(19.5,84.27) ; v1(19.5,84.27) 19.76,84.53 ; v1(19.5,84.27) 19.25,84.02 ; v1(19.5,84.27) 19.76,84.02 ; 44.65,78.94 v1(44.9,79.19) ; v1(44.9,79.19) 45.16,79.45 ; v1(44.9,79.19) 44.65,79.45 ; v1(44.9,79.19) 45.16,78.94 ; v1(39.82,66.49) 40.08,66.24 ; v1(39.82,66.49) 40.08,66.75 ; v1(39.82,66.49) 39.57,66.75 ; v1(39.82,66.49) 39.57,66.24 ; 71.32,37.03 v1(71.57,37.28) ; v1(71.57,37.28) 71.83,37.03 ; v1(71.57,37.28) 71.83,37.54 ; v1(71.57,37.28) 71.32,37.54 ; v1(96.97,57.6) 97.23,57.35 ; v1(96.97,57.6) 96.72,57.35 ; v1(96.97,57.6) 97.23,57.86 ; v1(96.97,57.6) 96.72,57.86 ; v1(13.15,84.27) 13.41,84.02 ; v1(13.15,84.27) 12.9,84.02 ; v1(13.15,84.27) 12.9,84.53 ; v1(13.15,84.27) 13.41,84.53 ; 77.67,71.32 v1(77.92,71.57) ; v1(77.92,71.57) 78.18,71.32 ; v1(77.92,71.57) 78.18,71.83 ; v1(77.92,71.57) 77.67,71.83 ; v1(98.24,29.66) 98.5,29.41 ; v1(98.24,29.66) 97.99,29.92 ; v1(98.24,29.66) 97.99,29.41 ; v1(98.24,29.66) 98.5,29.92 ; 51,1.98 v1(51.25,1.72) ; v1(51.25,1.72) 51.51,1.98 ; v1(51.25,1.72) 51.51,1.47 ; v1(51.25,1.72) 51,1.47 ; 84.02,64.97 v1(84.27,65.22) ; v1(84.27,65.22) 84.02,65.48 ; v1(84.27,65.22) 84.53,64.97 ; v1(84.27,65.22) 84.53,65.48 ; 39.57,75.13 v1(39.82,75.38) ; v1(39.82,75.38) 40.08,75.13 ; v1(39.82,75.38) 40.08,75.64 ; v1(39.82,75.38) 39.57,75.64 ; 97.99,15.44 v1(98.24,15.69) ; v1(98.24,15.69) 97.99,15.95 ; v1(98.24,15.69) 98.5,15.95 ; v1(98.24,15.69) 98.5,15.44 ; v1(9.34,15.69) 9.6,15.95 ; v1(9.34,15.69) 9.6,15.44 ; v1(9.34,15.69) 9.09,15.95 ; v1(9.34,15.69) 9.09,15.44 ; 30.68,68.78 v1(30.93,69.03) ; v1(30.93,69.03) 31.19,68.78 ; v1(30.93,69.03) 31.19,69.29 ; v1(30.93,69.03) 30.68,69.29 ; v1(24.58,63.95) 24.84,63.7 ; v1(24.58,63.95) 24.33,63.7 ; v1(24.58,63.95) 24.84,64.21 ; v1(24.58,63.95) 24.33,64.21 ; 52.27,9.09 v1(52.52,9.34) ; v1(52.52,9.34) 52.27,9.6 ; v1(52.52,9.34) 52.78,9.09 ; v1(52.52,9.34) 52.78,9.6 ; 29.41,64.97 v1(29.66,65.22) ; v1(29.66,65.22) 29.92,64.97 ; v1(29.66,65.22) 29.92,65.48 ; v1(29.66,65.22) 29.41,65.48 ; v1(79.19,37.28) 79.45,37.03 ; v1(79.19,37.28) 79.45,37.54 ; v1(79.19,37.28) 78.94,37.54 ; v1(79.19,37.28) 78.94,37.03 ; 82.75,90.88 v1(83,90.62) ; v1(83,90.62) 82.75,90.37 ; v1(83,90.62) 83.26,90.37 ; v1(83,90.62) 83.26,90.88 ; v1(32.2,11.88) 32.46,11.63 ; v1(32.2,11.88) 32.46,12.14 ; v1(32.2,11.88) 31.95,12.14 ; v1(32.2,11.88) 31.95,11.63 ; 31.95,92.91 v1(32.2,93.16) 